# Altium PCB RTD_12POS_WPSv3.PcbDoc (part 1 of 4) (continued)
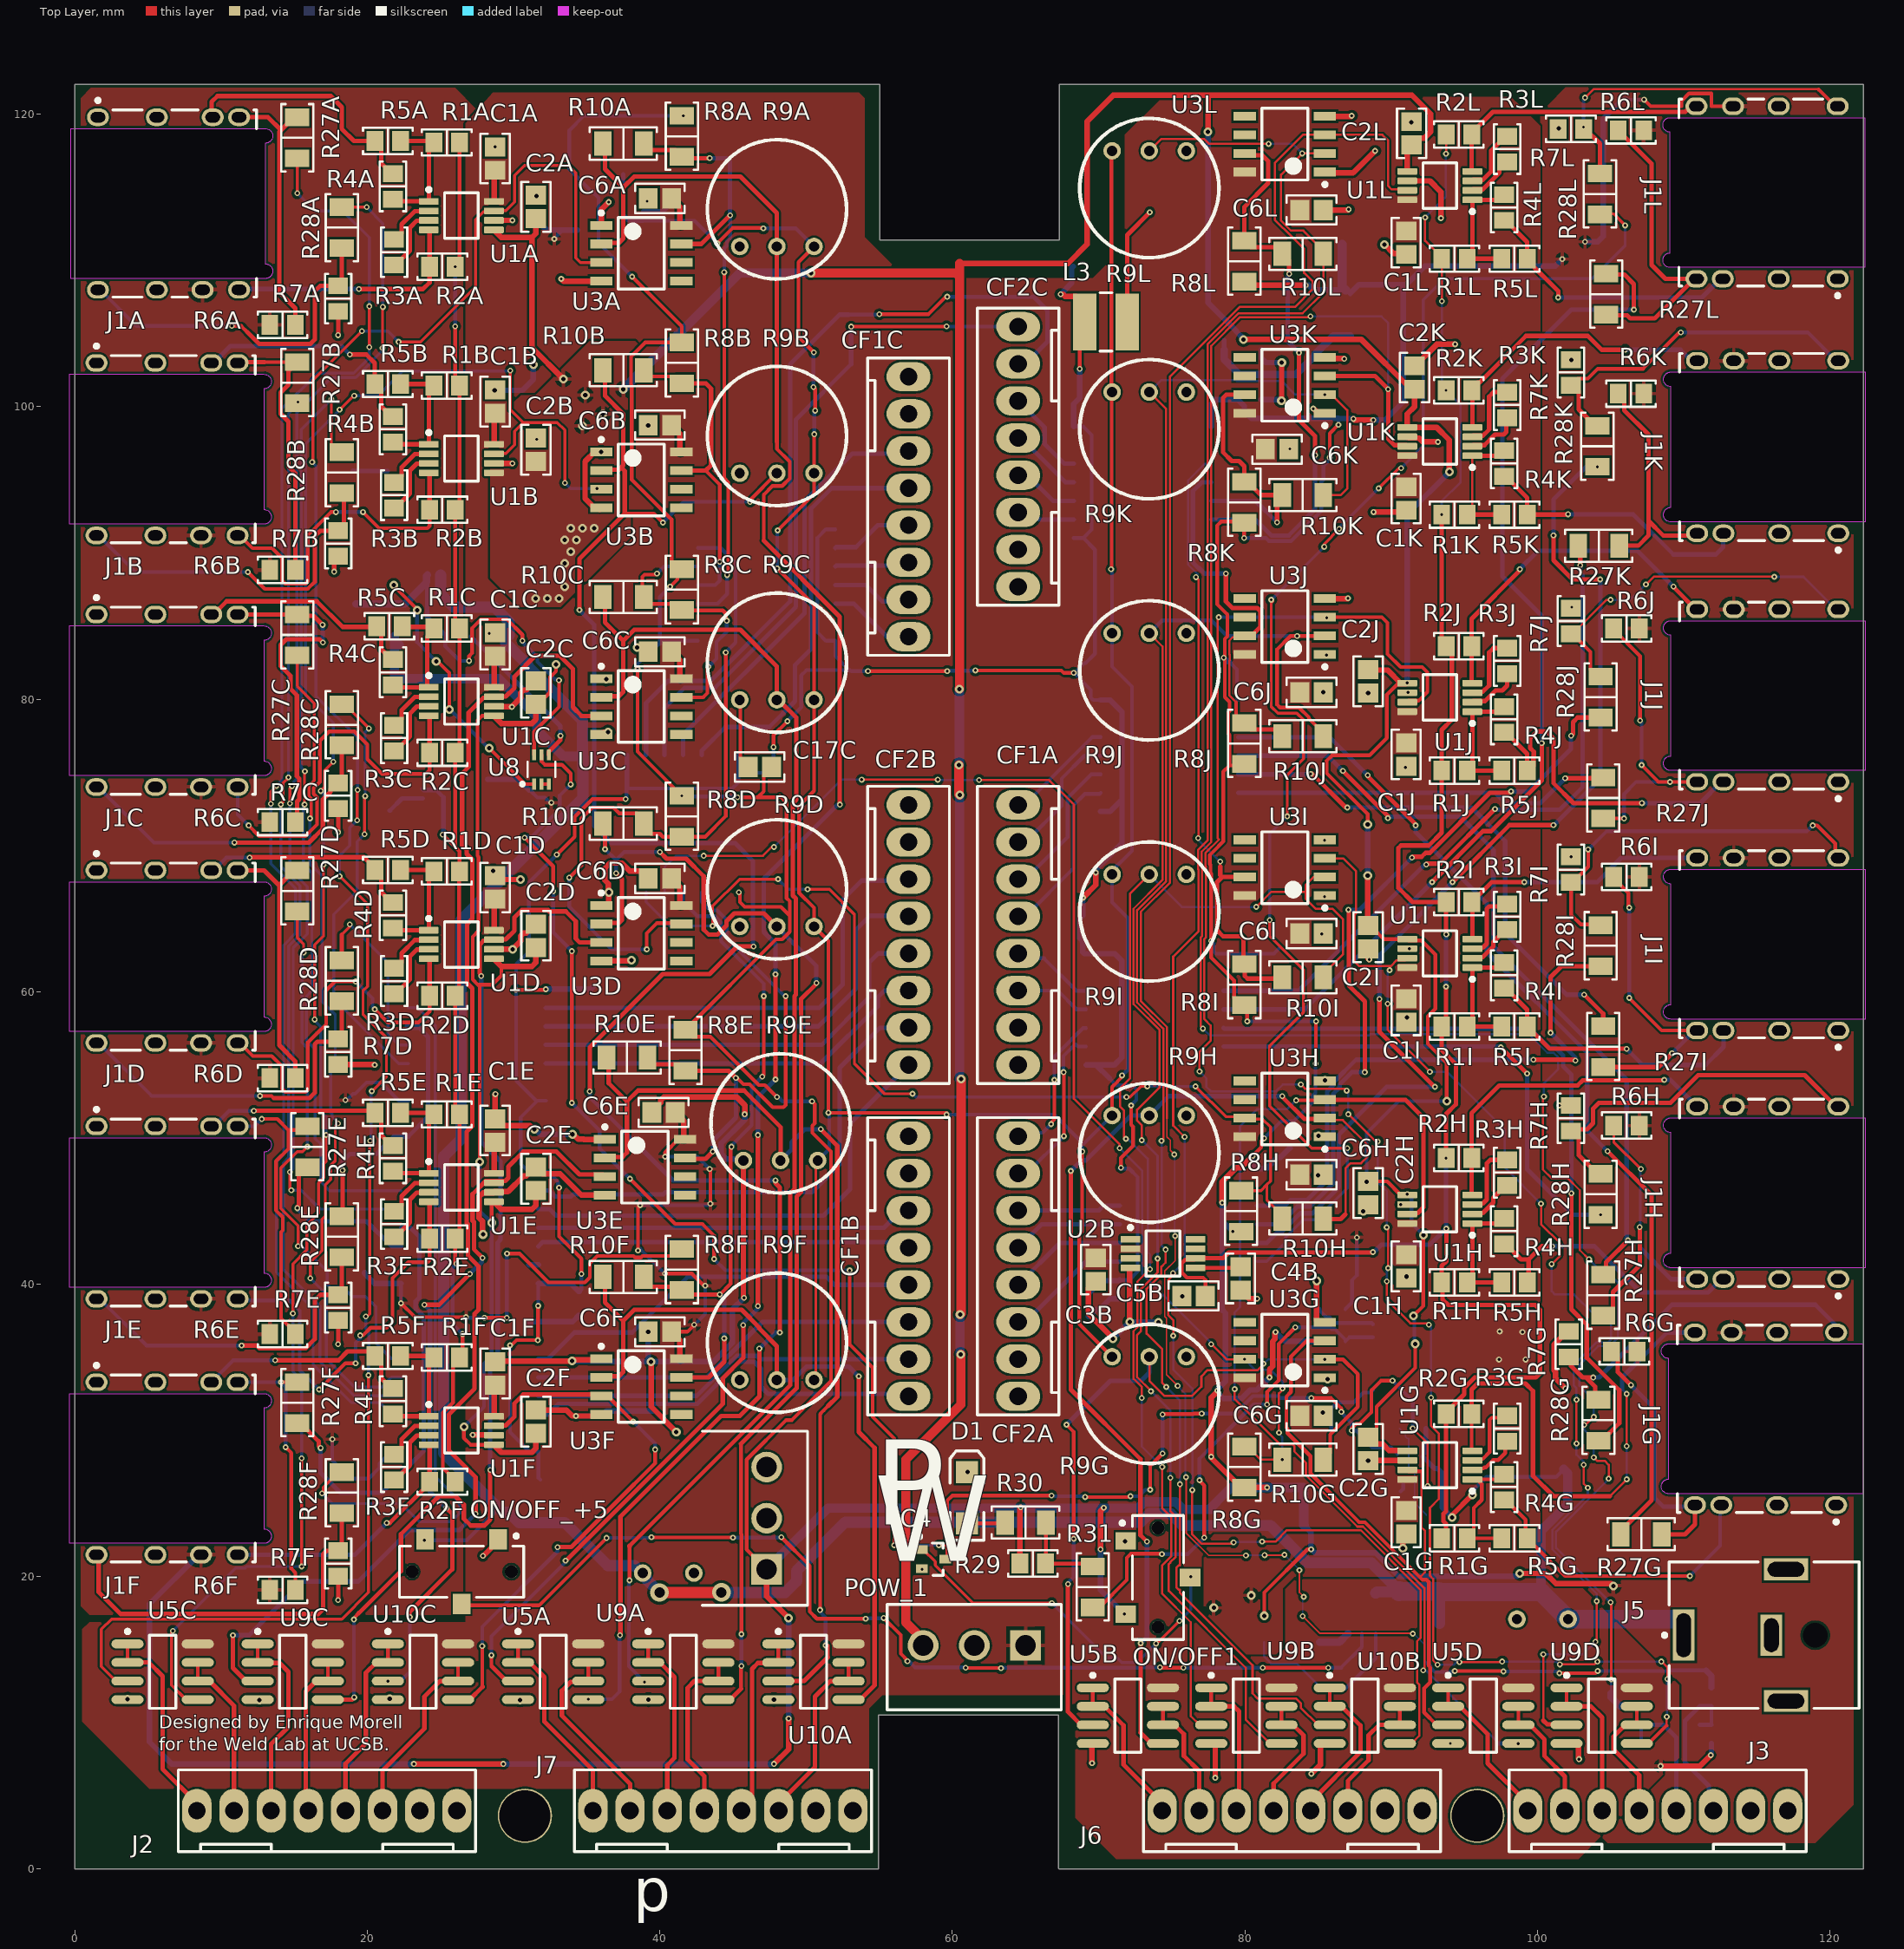
[diagram p0: Top Layer view]
## Design rules (kind name [scope] priority, off if disabled: settings) (continued)
RoomDefinition U_MonitorOut [InComponentClass('U_MonitorOut')] p39: confinementstyle=ConfineIn formatcopy=TRUE lockcomponents=FALSE outline 5.95,0.075 119.525,0.075 119.525,7.925 5.95,7.925
RoomDefinition U_IsolationOut [InComponentClass('U_IsolationOut')] p40: confinementstyle=ConfineIn formatcopy=TRUE lockcomponents=FALSE outline 35.2,65.3 79.2,65.3 79.2,107.9 35.2,107.9
RoomDefinition U_ConnGd- [InComponentClass('U_ConnGd-')] p41: confinementstyle=ConfineIn formatcopy=TRUE lockcomponents=FALSE outline 16.9,25.2 61,25.2 61,75.2 16.9,75.2
RoomDefinition U_ConnGd+ [InComponentClass('U_ConnGd+')] p42: confinementstyle=ConfineIn formatcopy=TRUE lockcomponents=FALSE outline 69.54,70.46 73.75,70.46 73.75,118.25 69.54,118.25
RoomDefinition U_ComparisonSchL [InComponentClass('U_ComparisonSchL')] p43: confinementstyle=ConfineIn formatcopy=FALSE lockcomponents=FALSE outline 68,107.21 87,107.21 87,120.96 68,120.96
RoomDefinition U_ComparisonSchK [InComponentClass('U_ComparisonSchK')] p44: confinementstyle=ConfineIn formatcopy=FALSE lockcomponents=FALSE outline 67.8,90.8 86.7,90.8 86.7,104.3 67.8,104.3
RoomDefinition U_ComparisonSchJ [InComponentClass('U_ComparisonSchJ')] p45: confinementstyle=ConfineIn formatcopy=FALSE lockcomponents=FALSE outline 68,74.226 87,74.226 87,87.976 68,87.976
RoomDefinition U_ComparisonSchI [InComponentClass('U_ComparisonSchI')] p46: confinementstyle=ConfineIn formatcopy=FALSE lockcomponents=FALSE outline 67.85,57.85 86.625,57.85 86.625,71.325 67.85,71.325
RoomDefinition U_ComparisonSchH [InComponentClass('U_ComparisonSchH')] p47: confinementstyle=ConfineIn formatcopy=FALSE lockcomponents=FALSE outline 67.85,42.35 86.625,42.35 86.625,54.825 67.85,54.825
RoomDefinition U_ComparisonSchF [InComponentClass('U_ComparisonSchF')] p48: confinementstyle=ConfineIn formatcopy=FALSE lockcomponents=FALSE outline 34.5,30 53.5,30 53.5,43.75 34.5,43.75
RoomDefinition U_ComparisonSchE [InComponentClass('U_ComparisonSchE')] p49: confinementstyle=ConfineIn formatcopy=TRUE lockcomponents=FALSE outline 34.75,45 53.75,45 53.75,58.75 34.75,58.75
RoomDefinition U_ComparisonSchD [InComponentClass('U_ComparisonSchD')] p50: confinementstyle=ConfineIn formatcopy=TRUE lockcomponents=FALSE outline 34.5,61 53.5,61 53.5,74.75 34.5,74.75
RoomDefinition U_ComparisonSchC [InComponentClass('U_ComparisonSchC')] p51: confinementstyle=ConfineIn formatcopy=TRUE lockcomponents=FALSE outline 34.5,76.5 53.5,76.5 53.5,90.25 34.5,90.25
RoomDefinition U_ComparisonSchB [InComponentClass('U_ComparisonSchB')] p52: confinementstyle=ConfineIn formatcopy=TRUE lockcomponents=FALSE outline 34.5,92 53.5,92 53.5,105.75 34.5,105.75
RoomDefinition U_12VSupply [InComponentClass('U_12VSupply')] p53: confinementstyle=ConfineIn formatcopy=TRUE lockcomponents=FALSE outline 83.475,11.725 107.525,11.725 107.525,45.225 83.475,45.225
RoomDefinition U_5VSupply [InComponentClass('U_5VSupply')] p54: confinementstyle=ConfineIn formatcopy=TRUE lockcomponents=FALSE outline 66.2,8 95.9,8 95.9,27.8 66.2,27.8
RoutingVias [All] p1: holewidth=0.711 width=1.27 viastyle="Through Hole" minholewidth=0.711 minwidth=1.27 maxholewidth=0.711 maxwidth=1.27 useviatemplates=TRUE viatemplateguid#1={4BFCAAC5-D46A-4560-A03D-2F3787BC3AD6} viatemplateguid#2={7C29D5FA-1259-41A0-88B3-0BBCAB00A7AF} viatemplateguid#3={8FDB672F-4487-4AD4-B12B-3AB91A28549A} viatemplateguid#4={CD788D5E-A946-4F66-909D-79502399879D} viatemplateguid#5={E94A7DC6-86FE-4B47-9C1C-211AB7DE5865} viatemplateguid#6={CF83D63E-3D29-4E72-BAE9-CD1C307AB8CC} viatemplateguid#7={CD509BDD-E8B9-483E-89AE-8C90808B9987} viatemplatename#1=v40h20m0mx0 viatemplatename#2=v40h20m0mx0_2670034071 viatemplatename#3=v60h30 viatemplatename#4=v60h30m0mx0 viatemplatename#5=v60h30m0mx0_2670034071 viatemplatename#6=v60h30_2670034071 viatemplatename#7=v127h71
SilkToSilkClearance [All] p1: silktosilkclearance=0.15
SilkToSolderMaskClearance [IsPad] p1: minsilkscreentomaskgap=0.15 clearancetoexposedcopper=TRUE
SolderMaskExpansion [All] p1: expansion=0.05
UnRoutedNet [All] p1: checkbadconnections=TRUE
Width Width_1 [InNet('+5')] p1: maxlimit=0.635 minlimit=0.254 preferedwidth=0.381 minimp=50.000000 maximp=50.000000 favimp=50.000000
Width Width_2 [InNet('+5_OUT')] p2: maxlimit=0.635 minlimit=0.254 preferedwidth=0.381 minimp=50.000000 maximp=50.000000 favimp=50.000000
Width Width_3 [InNet('DGND_Out')] p3: maxlimit=0.635 minlimit=0.254 preferedwidth=0.381 minimp=50.000000 maximp=50.000000 favimp=50.000000
Width Width_10 [InNet('GND')] p4: maxlimit=0.635 minlimit=0.254 preferedwidth=0.381 minimp=50.000000 maximp=50.000000 favimp=50.000000
Width Width_9 [InNet('AGND')] p5: maxlimit=0.635 minlimit=0.254 preferedwidth=0.381 minimp=50.000000 maximp=50.000000 favimp=50.000000
Width Width_8 [InNet('-12A')] p6: maxlimit=0.635 minlimit=0.254 preferedwidth=0.381 minimp=50.000000 maximp=50.000000 favimp=50.000000
Width Width_7 [InNet('-12')] p7: maxlimit=0.635 minlimit=0.254 preferedwidth=0.381 minimp=50.000000 maximp=50.000000 favimp=50.000000
Width Width_6 [InNet('-5A')] p8: maxlimit=0.635 minlimit=0.254 preferedwidth=0.381 minimp=50.000000 maximp=50.000000 favimp=50.000000
Width Width_5 [InNet('-5')] p9: maxlimit=0.635 minlimit=0.254 preferedwidth=0.381 minimp=50.000000 maximp=50.000000 favimp=50.000000
Width Width_4 [InNet('+12')] p10: maxlimit=0.635 minlimit=0.254 preferedwidth=0.381 minimp=50.000000 maximp=50.000000 favimp=50.000000
Width Width_11 [InNet('Vext')] p11: maxlimit=1.27 minlimit=0.254 preferedwidth=0.381 minimp=50.000000 maximp=50.000000 favimp=50.000000
Width [All] p12: maxlimit=0.508 minlimit=0.105 preferedwidth=0.15 minimp=50.000000 maximp=50.000000 favimp=50.000000
20 further rules are at their usual default settings.

## Classes and differential pairs
component class U_RTDAnalogL: C1L C2L R1L R2L R3L R4L R5L U1L
component class U_RTDAnalogH: C1H C2H R1H R2H R3H R4H R5H U1H
component class U_RTDAnalogB: C1B C2B R1B R2B R3B R4B R5B U1B
component class U_ComparisonSchL: C6L R8L R9L R10L U3L
component class U_ComparisonSchH: C6H R8H R9H R10H U3H
component class U_ComparisonSchB: C6B R8B R9B R10B U3B
net class Vthr[1..12]: Vthr1 Vthr2 Vthr3 Vthr4 Vthr5 Vthr6 Vthr7 Vthr8 Vthr9 Vthr10 Vthr11 Vthr12
net class RTD-[1..12]: RTD-1 RTD-2 RTD-3 RTD-4 RTD-5 RTD-6 RTD-7 RTD-8 RTD-9 RTD-10 RTD-11 RTD-12
net class RTD+[1..12]: RTD+1 RTD+2 RTD+3 RTD+4 RTD+5 RTD+6 RTD+7 RTD+8 RTD+9 RTD+10 RTD+11 RTD+12
net class CONNGD-[1..12]: CONNGD-1 CONNGD-2 CONNGD-3 CONNGD-4 CONNGD-5 CONNGD-6 CONNGD-7 CONNGD-8 CONNGD-9 CONNGD-10 CONNGD-11 CONNGD-12
net class CONNGD+[1..12]: CONNGD+1 CONNGD+2 CONNGD+3 CONNGD+4 CONNGD+5 CONNGD+6 CONNGD+7 CONNGD+8 CONNGD+9 CONNGD+10 CONNGD+11 CONNGD+12
net class CF[1..12]: CF1 CF2 CF3 CF4 CF5 CF6 CF7 CF8 CF9 CF10 CF11 CF12
channel class BufferOut: U_BufferOutL U_BufferOutMonL U_BufferOutMonR U_BufferOutR
component class U_BufferOutR: U5B U9B U10B
component class U_BufferOutMonR: U5D U9D U10D
component class U_BufferOutMonL: U5C U9C U10C
component class U_BufferOutL: U5A U9A U10A
component class MainSch: J6 J7
channel class VrefSch: U_VrefSchA U_VrefSchB U_VrefSchC
channel class RTDAnalog: U_RTDAnalogA U_RTDAnalogB U_RTDAnalogC U_RTDAnalogD U_RTDAnalogE U_RTDAnalogF U_RTDAnalogG U_RTDAnalogH U_RTDAnalogI U_RTDAnalogJ U_RTDAnalogK U_RTDAnalogL
channel class IsolationOut: U_ConnGd+ U_ConnGd- U_IsolationOut
channel class ConnectorSch: U_ConnectorSchA U_ConnectorSchB U_ConnectorSchC U_ConnectorSchD U_ConnectorSchE U_ConnectorSchF U_ConnectorSchG U_ConnectorSchH U_ConnectorSchI U_ConnectorSchJ U_ConnectorSchK U_ConnectorSchL
channel class ComparisonSch: U_ComparisonSchA U_ComparisonSchB U_ComparisonSchC U_ComparisonSchD U_ComparisonSchE U_ComparisonSchF U_ComparisonSchG U_ComparisonSchH U_ComparisonSchI U_ComparisonSchJ U_ComparisonSchK U_ComparisonSchL
net class Vrtd[1..12]: Vrtd1 Vrtd2 Vrtd3 Vrtd4 Vrtd5 Vrtd6 Vrtd7 Vrtd8 Vrtd9 Vrtd10 Vrtd11 Vrtd12
net class Vref[1..3]: Vref1 Vref2 Vref3
component class U_VrefSchC: C3C C4C C5C U2C
component class U_VrefSchB: C3B C4B C5B U2B
component class U_VrefSchA: C3A C4A C5A U2A
component class U_VccConnSch: J5
component class U_RTDAnalogF: C1F C2F R1F R2F R3F R4F R5F U1F
component class U_RTDAnalogK: C1K C2K R1K R2K R3K R4K R5K U1K
component class U_RTDAnalogJ: C1J C2J R1J R2J R3J R4J R5J U1J
component class U_RTDAnalogI: C1I C2I R1I R2I R3I R4I R5I U1I
component class U_RTDAnalogD: C1D C2D R1D R2D R3D R4D R5D U1D
component class U_RTDAnalogE: C1E C2E R1E R2E R3E R4E R5E U1E
component class U_RTDAnalogC: C1C C2C R1C R2C R3C R4C R5C U1C
component class U_RTDAnalogA: C1A C2A R1A R2A R3A R4A R5A U1A
component class U_RTDAnalogG: C1G C2G R1G R2G R3G R4G R5G U1G
component class U_PowerIsolation: A1 C43 C44 L2 L3
component class U_PowerDelivery: D1 IC4 ON/OFF1 ON/OFF_+5 POW_1 R29 R30 R31
component class U_Neg12V: C30 C31 C32 C33 C34 C35 C36 R21 R22 R23 U7 U8
component class U_MonitorOut: J2 J3
component class U_IsolationOut: C15C C16C C17C C18C C20C CF1C CF2C IC1C IC2C IC3C
component class U_ConnGd-: C15B C16B C17B C18B C19B C20B CF1B CF2B IC1B IC2B IC3B
component class U_ConnGd+: C15A C17A C18A C19A C20A CF1A CF2A IC1A IC2A IC3A
component class U_ConnectorSchL: J1L R6L R7L R27L R28L
component class U_ConnectorSchK: J1K R6K R7K R27K R28K
component class U_ConnectorSchJ: J1J R6J R7J R27J R28J
component class U_ConnectorSchI: J1I R6I R7I R27I R28I
component class U_ConnectorSchH: J1H R6H R7H R27H R28H
component class U_ConnectorSchG: J1G R6G R7G R27G R28G
component class U_ConnectorSchF: J1F R6F R7F R27F R28F
component class U_ConnectorSchE: J1E R6E R7E R27E R28E
component class U_ConnectorSchD: J1D R6D R7D R27D R28D
component class U_ConnectorSchC: J1C R6C R7C R27C R28C
component class U_ConnectorSchB: J1B R6B R7B R27B R28B
component class U_ConnectorSchA: J1A R6A R7A R27A R28A
component class U_ComparisonSchF: C6F R8F R10F U3F
component class U_ComparisonSchK: C6K R8K R9K R10K U3K
component class U_ComparisonSchJ: C6J R8J R9J R10J U3J
component class U_ComparisonSchI: C6I R8I R9I R10I U3I
component class U_ComparisonSchD: C6D R8D R9D R10D U3D
component class U_ComparisonSchE: C6E R8E R9E R10E U3E
component class U_ComparisonSchC: C6C R8C R9C R10C U3C
component class U_ComparisonSchA: C6A R8A R9A R10A U3A
component class U_ComparisonSchG: C6G R8G R9G R10G U3G
component class U_12VSupply: C7 C8 C9 C10 C11 C12 C13 C14 R12 R13 R14 R15 R16 U4
component class U_5VSupply: C37 C38 C39 C40 C41 C42 IC5 L1 R25 R26

## Components (designator, comment, footprint, x,y, rotation, side; value= is the part's Value field where it differs from the comment)
A1 "NXJ1S0505MC-R7" "MURATA NXJ1" 76.04,108.6 r180 bottom
C1A "0.1uF" "CAP 0805/2012"#1 28.725,116.975 r90 top (schematic designator C1)
C1B "0.1uF" "CAP 0805/2012"#1 28.725,100.36 r90 top (schematic designator C1)
C1C "0.1uF" "CAP 0805/2012"#1 28.725,83.745 r90 top (schematic designator C1)
C1D "0.1uF" "CAP 0805/2012"#1 28.725,67.13 r90 top (schematic designator C1)
C1E "0.1uF" "CAP 0805/2012"#1 28.725,50.515 r90 top (schematic designator C1)
C1F "0.1uF" "CAP 0805/2012"#1 28.725,33.9 r90 top (schematic designator C1)
C1G "0.1uF" "CAP 0805/2012"#1 91.03,23.73 r270 top (schematic designator C1)
C1H "0.1uF" "CAP 0805/2012"#1 91.03,41.229 r270 top (schematic designator C1)
C1I "0.1uF" "CAP 0805/2012"#1 91.03,58.728 r270 top (schematic designator C1)
C1J "0.1uF" "CAP 0805/2012"#1 91.03,76.227 r270 top (schematic designator C1)
C1K "0.1uF" "CAP 0805/2012"#1 91.03,93.726 r270 top (schematic designator C1)
C1L "0.1uF" "CAP 0805/2012"#1 91.03,111.225 r270 top (schematic designator C1)
C2A "0.1uF" "CAP 0805/2012"#1 31.525,113.675 r270 top (schematic designator C2)
C2B "0.1uF" "CAP 0805/2012"#1 31.525,97.06 r270 top (schematic designator C2)
C2C "0.1uF" "CAP 0805/2012"#1 31.525,80.445 r270 top (schematic designator C2)
C2D "0.1uF" "CAP 0805/2012"#1 31.525,63.83 r270 top (schematic designator C2)
C2E "0.1uF" "CAP 0805/2012"#1 31.525,47.215 r270 top (schematic designator C2)
C2F "0.1uF" "CAP 0805/2012"#1 31.525,30.6 r270 top (schematic designator C2)
C2G "0.1uF" "CAP 0805/2012"#1 88.43,28.73 r90 top (schematic designator C2)
C2H "0.1uF" "CAP 0805/2012"#1 88.43,46.229 r90 top (schematic designator C2)
C2I "0.1uF" "CAP 0805/2012"#1 88.43,63.728 r90 top (schematic designator C2)
C2J "0.1uF" "CAP 0805/2012"#1 88.43,81.227 r90 top (schematic designator C2)
C2K "0.1uF" "CAP 0805/2012"#1 91.6,102 r270 top (schematic designator C2)
C2L "0.1uF" "CAP 0805/2012"#2 91.4,118.7 r270 top (schematic designator C2)
C3A "1uF" "CAP 0805/2012"#1 31.1,73 r90 bottom (schematic designator C3)
C3B "1uF" "CAP 0805/2012"#1 69.8,41 r90 top (schematic designator C3)
C3C "1uF" "CAP 0805/2012"#1 31.5,113.6 r270 bottom (schematic designator C3)
C4A "1uF" "CAP 0805/2012"#1 21.5,71.6 r90 bottom (schematic designator C4)
C4B "1uF" "CAP 0805/2012"#1 79.7,40.4 r90 top (schematic designator C4)
C4C "1uF" "CAP 0805/2012"#1 41.1,115 r270 bottom (schematic designator C4)
C5A "1uF" "CAP 0805/2012"#1 25.9,70.7 r180 bottom (schematic designator C5)
C5B "1uF" "CAP 0805/2012"#1 76.5,39.2 r0 top (schematic designator C5)
C5C "1uF" "CAP 0805/2012"#1 36.7,115.9 r0 bottom (schematic designator C5)
C6A "0.1uF" "CAP 0805/2012"#1 40,114.25 r180 top (schematic designator C6)
C6B "0.1uF" "CAP 0805/2012"#1 40,98.75 r180 top (schematic designator C6)
C6C "0.1uF" "CAP 0805/2012"#1 40,83.25 r180 top (schematic designator C6)
C6D "0.1uF" "CAP 0805/2012"#1 40,67.75 r180 top (schematic designator C6)
C6E "0.1uF" "CAP 0805/2012"#1 40.25,51.75 r180 top (schematic designator C6)
C6F "0.1uF" "CAP 0805/2012"#1 40,36.75 r180 top (schematic designator C6)
C6G "0.1uF" "CAP 0805/2012"#1 84.56,31 r0 top (schematic designator C6)
C6H "0.1uF" "CAP 0805/2012"#1 84.56,47.492 r0 top (schematic designator C6)
C6I "0.1uF" "CAP 0805/2012"#1 84.56,63.984 r0 top (schematic designator C6)
C6J "0.1uF" "CAP 0805/2012"#1 84.56,80.476 r0 top (schematic designator C6)
C6K "0.1uF" "CAP 0805/2012"#1 82.2,97.1 r0 top (schematic designator C6)
C6L "0.1uF" "CAP 0805/2012"#1 84.56,113.46 r0 top (schematic designator C6)
C7 "22uF" "CAP AL TH D8 L3.5 H11.5" 102.1,17.1 r180 bottom
C8 "4.7uF" "CAP 1206/3216 - 1.0MM" 101.8,28.8 r90 bottom
C9 "4.7uF" "CAP 1206/3216 - 1.0MM" 97,25.6 r0 bottom
C10 "22uF" "CAP 1206/3216" 86.2,40.6 r0 bottom
C11 "22uF" "CAP 1206/3216" 86.2,43.2 r0 bottom
C12 "22uF" "CAP 1206/3216" 103.9,38.4 r270 bottom
C13 "22uF" "CAP 1206/3216" 99.4,42.5 r270 bottom
C14 "0.022uF" "CAP 0805/2012"#1 91.6,24.2 r0 bottom
C15A "0.1uF" "CAP 0805/2012"#1 78.14,82.56 r180 bottom (schematic designator C15)
C15B "0.1uF" "CAP 0805/2012"#1 19,40.8 r180 bottom (schematic designator C15)
C15C "0.1uF" "CAP 0805/2012"#1 40,83 r270 bottom (schematic designator C15)
C16B "0.1uF" "CAP 0805/2012"#1 35.5,61.2 r90 bottom (schematic designator C16)
C16C "0.1uF" "CAP 0805/2012"#1 53,81.2 r270 bottom (schematic designator C16)
C17A "0.1uF" "CAP 0805/2012"#1 82.34,62.16 r270 bottom (schematic designator C17)
C17B "0.1uF" "CAP 0805/2012"#1 18.5,53.3 r90 bottom (schematic designator C17)
C17C "0.1uF" "CAP 0805/2012"#1 46.825,75.375 r180 top (schematic designator C17)
C18A "0.1uF" "CAP 0805/2012"#1 69.5,65 r0 bottom (schematic designator C18)
C18B "0.1uF" "CAP 0805/2012"#1 34.5,38.7 r270 bottom (schematic designator C18)
C18C "0.1uF" "CAP 0805/2012"#1 48.475,75.45 r0 bottom (schematic designator C18)
C19A "0.1uF" "CAP 0805/2012"#1 83.1,48.5 r270 bottom (schematic designator C19)
C19B "0.1uF" "CAP 0805/2012"#1 19,27.5 r90 bottom (schematic designator C19)
C19C "0.1uF" "CAP 0805/2012"#1 80.3,100.5 r0 bottom (schematic designator C19)
C20A "0.1uF" "CAP 0805/2012"#1 68.3,82.6 r90 bottom (schematic designator C20)
C20B "0.1uF" "CAP 0805/2012"#1 32.625,26.625 r0 bottom (schematic designator C20)
C20C "0.1uF" "CAP 0805/2012"#1 68.7,103.4 r90 bottom (schematic designator C20)
C29 "22uF" "CAP AL TH D8 L3.5 H11.5" 38.825,20.25 r0 bottom
C30 "4.7uF" "CAP 1206/3216 - 1.0MM" 20.4,81.4 r180 bottom
C31 "4.7uF" "CAP 1206/3216 - 1.0MM" 20.4,84.3 r180 bottom
C32 "2.2uF" "CAP 1206/3216" 30.9,84.1 r180 bottom
C33 "22uF" "CAP 1206/3216" 37.2,90.2 r180 bottom
C34 "22uF" "CAP 1206/3216" 35.7,94.6 r270 bottom
C35 "22uF" "CAP 1206/3216" 40.6,96.2 r270 bottom
C36 "22uF" "CAP 1206/3216" 38.1,94.6 r270 bottom
C37 "0.1uF" "CAP 0805/2012"#1 84.3,15.5 r180 bottom
C38 "10uF" "CAP 1206/3216" 93.3,20.4 r270 bottom
C39 "10uF" "CAP 1206/3216" 90.8,20.5 r270 bottom
C40 "0.1uF" "CAP 0805/2012"#1 93.3,16 r90 bottom
C41 "22uF" "CAP 1206/3216" 85.5,23.5 r180 bottom
C42 "22uF" "CAP 1206/3216" 85.45,26.1 r180 bottom
C43 "2.2uF" "CAP 1206/3216" 66.8,109.6 r180 bottom
C44 "4.7uF" "CAP 1206/3216 - 1.8MM" 88.1,111.1 r180 bottom
CF1A "0022272081" "MOLEX KK 0022272081" 64.5,63.89 r90 top (schematic designator CF1)
CF1B "0022272081" "MOLEX KK 0022272081" 57,41.23 r270 top (schematic designator CF1)
CF1C "0022272081" "MOLEX KK 0022272081" 57,93.17 r270 top (schematic designator CF1)
CF2A "0022272081" "MOLEX KK 0022272081" 64.5,41.23 r90 top (schematic designator CF2)
CF2B "0022272081" "MOLEX KK 0022272081" 57,63.89 r270 top (schematic designator CF2)
CF2C "0022272081" "MOLEX KK 0022272081" 64.5,96.59 r90 top (schematic designator CF2)
D1 "LED2" 3.2X1.6X1.1 61,25.4 r90 top
IC1A "SI8640BD-B-IS" "SI LABS SOIC-16 WIDE" 74.84,75.505 r180 bottom (schematic designator IC1)
IC1B "SI8640BD-B-IS" "SI LABS SOIC-16 WIDE" 27,33 r0 bottom (schematic designator IC1)
IC1C "SI8640BD-B-IS" "SI LABS SOIC-16 WIDE" 47.3,88.445 r0 bottom (schematic designator IC1)
IC2A "SI8640BD-B-IS" "SI LABS SOIC-16 WIDE" 73.84,58.16 r180 bottom (schematic designator IC2)
IC2B "SI8640BD-B-IS" "SI LABS SOIC-16 WIDE" 27,44.5 r0 bottom (schematic designator IC2)
IC2C "SI8640BD-B-IS" "SI LABS SOIC-16 WIDE" 40.955,71.5 r90 bottom (schematic designator IC2)
IC3A "SI8640BD-B-IS" "SI LABS SOIC-16 WIDE" 76.14,43.46 r180 bottom (schematic designator IC3)
IC3B "SI8640BD-B-IS" "SI LABS SOIC-16 WIDE" 27.5,57 r0 bottom (schematic designator IC3)
IC3C "SI8640BD-B-IS" "SI LABS SOIC-16 WIDE" 73,94.2 r180 bottom (schematic designator IC3)
IC4 "BSS138WH6327XTSA1" "INFINEON SOT-323-3" 58.7,21.2 r0 top
IC5 "TPS563201DDCT" "TI SOT-23-6 DDC" 88,17.5 r270 bottom
J1A "SJ-3506-SMT-TR" CUI-SJ-3506-SMT-TR_V#1 6.4,113.9 r0 top (schematic designator J1)
J1B "SJ-3506-SMT-TR" CUI-SJ-3506-SMT-TR_V#1 6.3,97.1 r0 top (schematic designator J1)
J1C "SJ-3506-SMT-TR" CUI-SJ-3506-SMT-TR_V#1 6.3,79.9 r0 top (schematic designator J1)
J1D "SJ-3506-SMT-TR" CUI-SJ-3506-SMT-TR_V#2 6.3,62.4 r0 top (schematic designator J1)
J1E "SJ-3506-SMT-TR" CUI-SJ-3506-SMT-TR_V#1 6.3,44.9 r0 top (schematic designator J1)
J1F "SJ-3506-SMT-TR" CUI-SJ-3506-SMT-TR_V#1 6.3,27.4 r0 top (schematic designator J1)
J1G "SJ-3506-SMT-TR" CUI-SJ-3506-SMT-TR_V#1 115.6,30.8 r180 top (schematic designator J1)
J1H "SJ-3506-SMT-TR" CUI-SJ-3506-SMT-TR_V#1 115.75,46.25 r180 top (schematic designator J1)
J1I "SJ-3506-SMT-TR" CUI-SJ-3506-SMT-TR_V#1 115.75,63.25 r180 top (schematic designator J1)
J1J "SJ-3506-SMT-TR" CUI-SJ-3506-SMT-TR_V#1 115.75,80.25 r180 top (schematic designator J1)
J1K "SJ-3506-SMT-TR" CUI-SJ-3506-SMT-TR_V#1 115.75,97.25 r180 top (schematic designator J1)
J1L "SJ-3506-SMT-TR" CUI-SJ-3506-SMT-TR_V#1 115.705,114.65 r180 top (schematic designator J1)
J2 "0022272081" "MOLEX KK 0022272081" 17.23,4 r0 top
J3 "0022272081" "MOLEX KK 0022272081" 108.23,4 r0 top
J5 "PJ-063AH" CUI-PJ-063AH_V 116,16 r0 top
J6 "0022272081" "MOLEX KK 0022272081" 83.23,4 r0 top
J7 "0022272081" "MOLEX KK 0022272081" 44.31,4 r0 top
L1 "3.3uH" "WURTH WE-HCI 7050" 78.5,23 r90 bottom
L2 "VLCF4024T-4R7N1R4-2" "TDK VLCF4024-2" 87.2,106.3 r270 bottom value=4.7uH
L3 "VLCF4024T-100MR90-2" "TDK VLCF4024-2" 70.5,105.8 r180 top value=10uH
ON/OFF1 "CL-SB-12B-01T" SW_CL-SB-12B-01 73.6,19.9 r270 top
ON/OFF_+5 "CL-SB-12B-01T" SW_CL-SB-12B-01 26.4,20.8 r180 top
POW_1 "691321100003" 691321100003 61.5,14.5 r180 top
R1A "4.99k" "RES 0805/2012" 25.425,118.075 r0 top (schematic designator R1)
R1B "4.99k" "RES 0805/2012" 25.425,101.46 r0 top (schematic designator R1)
R1C "4.99k" "RES 0805/2012" 25.425,84.845 r0 top (schematic designator R1)
R1D "4.99k" "RES 0805/2012" 25.425,68.23 r0 top (schematic designator R1)
R1E "4.99k" "RES 0805/2012" 25.425,51.615 r0 top (schematic designator R1)
R1F "4.99k" "RES 0805/2012" 25.425,35 r0 top (schematic designator R1)
R1G "4.99k" "RES 0805/2012" 94.33,22.63 r180 top (schematic designator R1)
R1H "4.99k" "RES 0805/2012" 94.33,40.129 r180 top (schematic designator R1)
R1I "4.99k" "RES 0805/2012" 94.33,57.628 r180 top (schematic designator R1)
R1J "4.99k" "RES 0805/2012" 94.33,75.127 r180 top (schematic designator R1)
R1K "4.99k" "RES 0805/2012" 94.33,92.626 r180 top (schematic designator R1)
R1L "4.99k" "RES 0805/2012" 94.33,110.125 r180 top (schematic designator R1)
R2A "4.99k" "RES 0805/2012" 25.125,109.575 r0 top (schematic designator R2)
R2B "4.99k" "RES 0805/2012" 25.125,92.96 r0 top (schematic designator R2)
R2C "4.99k" "RES 0805/2012" 25.125,76.345 r0 top (schematic designator R2)
R2D "4.99k" "RES 0805/2012" 25.125,59.73 r0 top (schematic designator R2)
R2E "4.99k" "RES 0805/2012" 25.125,43.115 r0 top (schematic designator R2)
R2F "4.99k" "RES 0805/2012" 25.125,26.5 r0 top (schematic designator R2)
R2G "4.99k" "RES 0805/2012" 94.63,31.13 r180 top (schematic designator R2)
R2H "4.99k" "RES 0805/2012" 94.63,48.629 r180 top (schematic designator R2)
R2I "4.99k" "RES 0805/2012" 94.63,66.128 r180 top (schematic designator R2)
R2J "4.99k" "RES 0805/2012" 94.63,83.627 r180 top (schematic designator R2)
R2K "4.99k" "RES 0805/2012" 94.63,101.126 r180 top (schematic designator R2)
R2L "4.99k" "RES 0805/2012" 94.63,118.625 r180 top (schematic designator R2)
R3A "118" "RES 0805/2012" 21.825,110.575 r90 top (schematic designator R3)
R3B "118" "RES 0805/2012" 21.825,93.96 r90 top (schematic designator R3)
R3C "118" "RES 0805/2012" 21.825,77.345 r90 top (schematic designator R3)
R3D "118" "RES 0805/2012" 21.825,60.73 r90 top (schematic designator R3)
R3E "118" "RES 0805/2012" 21.825,44.115 r90 top (schematic designator R3)
R3F "118" "RES 0805/2012" 21.825,27.5 r90 top (schematic designator R3)
R3G "118" "RES 0805/2012" 97.93,30.13 r270 top (schematic designator R3)
R3H "118" "RES 0805/2012" 97.93,47.629 r270 top (schematic designator R3)
R3I "118" "RES 0805/2012" 97.93,65.128 r270 top (schematic designator R3)
R3J "118" "RES 0805/2012" 97.93,82.627 r270 top (schematic designator R3)
R3K "118" "RES 0805/2012" 97.93,100.126 r270 top (schematic designator R3)
R3L "118" "RES 0805/2012" 97.93,117.625 r270 top (schematic designator R3)
R4A "107" "RES 0805/2012" 21.75,115.075 r270 top (schematic designator R4)
R4B "107" "RES 0805/2012" 21.75,98.46 r270 top (schematic designator R4)
R4C "107" "RES 0805/2012" 21.75,81.845 r270 top (schematic designator R4)
R4D "107" "RES 0805/2012" 21.75,65.23 r270 top (schematic designator R4)
R4E "107" "RES 0805/2012" 21.75,48.615 r270 top (schematic designator R4)
R4F "107" "RES 0805/2012" 21.75,32 r270 top (schematic designator R4)
R4G "107" "RES 0805/2012" 97.73,26.13 r90 top (schematic designator R4)
R4H "107" "RES 0805/2012" 97.73,43.629 r90 top (schematic designator R4)
R4I "107" "RES 0805/2012" 97.73,61.128 r90 top (schematic designator R4)
R4J "107" "RES 0805/2012" 97.73,78.627 r90 top (schematic designator R4)
R4K "107" "RES 0805/2012" 97.73,96.126 r90 top (schematic designator R4)
R4L "107" "RES 0805/2012" 97.73,113.625 r90 top (schematic designator R4)
R5A "10.2k" "RES 0805/2012" 21.4,118.175 r0 top (schematic designator R5)
R5B "10.2k" "RES 0805/2012" 21.4,101.56 r0 top (schematic designator R5)
R5C "10.2k" "RES 0805/2012" 21.5,85 r0 top (schematic designator R5)
R5D "10.2k" "RES 0805/2012" 21.4,68.33 r0 top (schematic designator R5)
R5E "10.2k" "RES 0805/2012" 21.4,51.715 r0 top (schematic designator R5)
R5F "10.2k" "RES 0805/2012" 21.4,35.1 r0 top (schematic designator R5)
R5G "10.2k" "RES 0805/2012" 98.43,22.63 r180 top (schematic designator R5)
R5H "10.2k" "RES 0805/2012" 98.43,40.129 r180 top (schematic designator R5)
R5I "10.2k" "RES 0805/2012" 98.43,57.628 r180 top (schematic designator R5)
R5J "10.2k" "RES 0805/2012" 98.43,75.127 r180 top (schematic designator R5)
R5K "10.2k" "RES 0805/2012" 98.43,92.626 r180 top (schematic designator R5)
R5L "10.2k" "RES 0805/2012" 98.43,110.125 r180 top (schematic designator R5)
R6A "15.8k" "RES 0805/2012" 14.2,105.6 r0 top (schematic designator R6)
R6B "15.8k" "RES 0805/2012" 14.2,88.85 r0 top (schematic designator R6)
R6C "15.8k" "RES 0805/2012" 14.2,71.6 r0 top (schematic designator R6)
R6D "15.8k" "RES 0805/2012" 14.2,54.1 r0 top (schematic designator R6)
R6E "15.8k" "RES 0805/2012" 14.2,36.6 r0 top (schematic designator R6)
R6F "15.8k" "RES 0805/2012" 14.2,19.1 r0 top (schematic designator R6)
R6G "15.8k" "RES 0805/2012" 105.95,35.4 r180 top (schematic designator R6)
R6H "15.8k" "RES 0805/2012" 106.1,50.85 r180 top (schematic designator R6)
R6I "15.8k" "RES 0805/2012" 106.1,67.85 r180 top (schematic designator R6)
R6J "15.8k" "RES 0805/2012" 106.1,84.85 r180 top (schematic designator R6)
R6K "15.8k" "RES 0805/2012" 106.4,100.9 r180 top (schematic designator R6)
R6L "15.8k" "RES 0805/2012" 106.4,118.9 r180 top (schematic designator R6)
R7A "15.8k" "RES 0805/2012" 18,107.4 r90 top (schematic designator R7)
R7B "15.8k" "RES 0805/2012" 18,90.65 r90 top (schematic designator R7)
R7C "15.8k" "RES 0805/2012" 18,73.4 r90 top (schematic designator R7)
R7D "15.8k" "RES 0805/2012" 18,55.9 r90 top (schematic designator R7)
R7E "15.8k" "RES 0805/2012" 18,38.4 r90 top (schematic designator R7)
R7F "15.8k" "RES 0805/2012" 18,20.9 r90 top (schematic designator R7)
R7G "15.8k" "RES 0805/2012" 102.15,35.9 r270 top (schematic designator R7)
R7H "15.8k" "RES 0805/2012" 102.3,51.35 r270 top (schematic designator R7)
R7I "15.8k" "RES 0805/2012" 102.3,68.35 r270 top (schematic designator R7)
R7J "15.8k" "RES 0805/2012" 102.3,85.35 r270 top (schematic designator R7)
R7K "15.8k" "RES 0805/2012" 102.3,102.35 r270 top (schematic designator R7)
R7L "15.8k" "RES 0805/2012" 102.3,119 r0 top (schematic designator R7)
R8A "1k" "RES 1206/3216" 41.5,118.5 r90 top (schematic designator R8)
R8B "1k" "RES 1206/3216" 41.5,103 r90 top (schematic designator R8)
R8C "1k" "RES 1206/3216" 41.5,87.5 r90 top (schematic designator R8)
R8D "1k" "RES 1206/3216" 41.5,72 r90 top (schematic designator R8)
R8E "1k" "RES 1206/3216" 41.75,56 r90 top (schematic designator R8)
R8F "1k" "RES 1206/3216" 41.5,41 r90 top (schematic designator R8)
R8G "1k" "RES 1206/3216" 79.96,27.5 r270 top (schematic designator R8)
R8H "1k" "RES 1206/3216" 79.75,45 r270 top (schematic designator R8)
R8I "1k" "RES 1206/3216" 79.96,60.484 r270 top (schematic designator R8)
R8J "1k" "RES 1206/3216" 79.96,76.976 r270 top (schematic designator R8)
R8K "1k" "RES 1206/3216" 79.96,93.468 r270 top (schematic designator R8)
R8L "1k" "RES 1206/3216" 79.96,109.96 r270 top (schematic designator R8)
R9A "20k" "POT MODEL91A" 48,113.5 r0 top (schematic designator R9)
R9B "20k" "POT MODEL91A" 48,98 r0 top (schematic designator R9)
R9C "20k" "POT MODEL91A" 48,82.5 r0 top (schematic designator R9)
R9D "20k" "POT MODEL91A" 48,67 r0 top (schematic designator R9)
R9E "20k" "POT MODEL91A" 48.25,51 r0 top (schematic designator R9)
R9F "20k" "POT MODEL91A" 48,36 r0 top (schematic designator R9)
R9G "20k" "POT MODEL91A" 73.46,32.5 r180 top (schematic designator R9)
R9H "20k" "POT MODEL91A" 73.46,48.992 r180 top (schematic designator R9)
R9I "20k" "POT MODEL91A" 73.46,65.484 r180 top (schematic designator R9)
R9J "20k" "POT MODEL91A" 73.46,81.976 r180 top (schematic designator R9)
R9K "20k" "POT MODEL91A" 73.46,98.468 r180 top (schematic designator R9)
R9L "20k" "POT MODEL91A" 73.46,114.96 r180 top (schematic designator R9)
R10A "510k" "RES 1206/3216" 37.5,118 r0 top (schematic designator R10)
R10B "510k" "RES 1206/3216" 37.5,102.5 r0 top (schematic designator R10)
R10C "510k" "RES 1206/3216" 37.5,87 r0 top (schematic designator R10)
R10D "510k" "RES 1206/3216" 37.5,71.5 r0 top (schematic designator R10)
R10E "510k" "RES 1206/3216" 37.75,55.5 r0 top (schematic designator R10)
R10F "510k" "RES 1206/3216" 37.5,40.5 r0 top (schematic designator R10)
R10G "510k" "RES 1206/3216" 83.96,28 r180 top (schematic designator R10)
R10H "510k" "RES 1206/3216" 83.96,44.492 r180 top (schematic designator R10)
R10I "510k" "RES 1206/3216" 83.96,60.984 r180 top (schematic designator R10)
R10J "510k" "RES 1206/3216" 83.96,77.476 r180 top (schematic designator R10)
R10K "510k" "RES 1206/3216" 83.96,93.968 r180 top (schematic designator R10)
R10L "510k" "RES 1206/3216" 83.96,110.46 r180 top (schematic designator R10)
R12 "174k" "RES 0805/2012" 91.3,28.3 r0 bottom
R13 "267k" "RES 1206/3216" 86,31.4 r270 bottom
R14 "15.8k" "RES 0805/2012" 91.7,26.3 r0 bottom
R15 "15.8k" "RES 0805/2012" 86,36.1 r0 bottom
R16 "140k" "RES 0805/2012" 86,38.3 r0 bottom
R21 "174k" "RES 0805/2012" 26.2,84.3 r0 bottom
R22 "24.3k" "RES 0805/2012" 19.2,87.4 r270 bottom
R23 "140k" "RES 0805/2012" 19,96.5 r90 bottom
R25 "54.9k" "RES 0805/2012" 81.3,16.4 r90 bottom
R26 "10k" "RES 0805/2012" 84.275,12.35 r0 bottom
R27A "0.0" "RES 1206/3216" 15.2,118.4 r270 top (schematic designator R27)
R27B "0.0" "RES 1206/3216" 15.2,101.65 r270 top (schematic designator R27)
R27C "0.0" "RES 1206/3216" 15.2,84.4 r270 top (schematic designator R27)
R27D "0.0" "RES 1206/3216" 15.2,66.9 r270 top (schematic designator R27)
R27E "0.0" "RES 1206/3216" 15.9,49.4 r270 top (schematic designator R27)
R27F "0.0" "RES 1206/3216" 15.2,31.9 r270 top (schematic designator R27)
R27G "0.0" "RES 1206/3216" 107.1,22.9 r180 top (schematic designator R27)
R27H "0.0" "RES 1206/3216" 104.5,39.25 r90 top (schematic designator R27)
R27I "0.0" "RES 1206/3216" 104.5,56.25 r90 top (schematic designator R27)
R27J "0.0" "RES 1206/3216" 104.5,73.25 r90 top (schematic designator R27)
R27K "0.0" "RES 1206/3216" 104.2,90.5 r180 top (schematic designator R27)
R27L "0.0" "RES 1206/3216" 104.7,107.7 r90 top (schematic designator R27)
R28A "0.0" "RES 1206/3216" 18.25,112.25 r90 top (schematic designator R28)
R28B "0.0" "RES 1206/3216" 18.25,95.5 r90 top (schematic designator R28)
R28C "0.0" "RES 1206/3216" 18.25,78.25 r90 top (schematic designator R28)
R28D "0.0" "RES 1206/3216" 18.25,60.75 r90 top (schematic designator R28)
R28E "0.0" "RES 1206/3216" 18.25,43.25 r90 top (schematic designator R28)
R28F "0.0" "RES 1206/3216" 18.25,25.75 r90 top (schematic designator R28)
R28G "0.0" "RES 1206/3216" 104.175,30.7 r270 top (schematic designator R28)
R28H "0.0" "RES 1206/3216" 104.325,46.15 r270 top (schematic designator R28)
R28I "0.0" "RES 1206/3216" 104.325,63.15 r270 top (schematic designator R28)
R28J "0.0" "RES 1206/3216" 104.325,80.15 r270 top (schematic designator R28)
R28K "0.0" "RES 1206/3216" 104.1,97.3 r270 top (schematic designator R28)
R28L "0.0" "RES 1206/3216" 104.28,114.55 r270 top (schematic designator R28)
R29 "10k" "RES 0805/2012" 65.5,20.9 r180 top
R30 "1k" "RES 1206/3216" 65,23.7 r0 top
R31 "0.0" "RES 1206/3216" 69.6,19.3 r90 top
U1A "INA826AIDGKR" DGK0008A_N 26.425,113.075 r0 top (schematic designator U1)
U1B "INA826AIDGKR" DGK0008A_N 26.425,96.46 r0 top (schematic designator U1)
U1C "INA826AIDGKR" DGK0008A_N 26.425,79.845 r0 top (schematic designator U1)
U1D "INA826AIDGKR" DGK0008A_N 26.425,63.23 r0 top (schematic designator U1)
U1E "INA826AIDGKR" DGK0008A_N 26.425,46.615 r0 top (schematic designator U1)
U1F "INA826AIDGKR" DGK0008A_N 26.425,30 r0 top (schematic designator U1)
U1G "INA826AIDGKR" DGK0008A_N 93.33,27.63 r180 top (schematic designator U1)
U1H "INA826AIDGKR" DGK0008A_N 93.33,45.129 r180 top (schematic designator U1)
U1I "INA826AIDGKR" DGK0008A_N 93.33,62.628 r180 top (schematic designator U1)
U1J "INA826AIDGKR" DGK0008A_N 93.33,80.127 r180 top (schematic designator U1)
U1K "INA826AIDGKR" DGK0008A_N 93.33,97.626 r180 top (schematic designator U1)
U1L "INA826AIDGKR" DGK0008A_N 93.33,115.125 r180 top (schematic designator U1)
U2A "REF5050IDGKT" DGK0008A_N 26,74.2 r180 bottom (schematic designator U2)
U2B "REF5050IDGKT" DGK0008A_N 74.4,42.1 r0 top (schematic designator U2)
U2C "REF5050IDGKT" DGK0008A_N 36.6,112.4 r0 bottom (schematic designator U2)
U3A "LM311DR2G" ONSC-SOIC-8-751-07_V 38.727,110.5 r0 top (schematic designator U3)
U3B "LM311DR2G" ONSC-SOIC-8-751-07_V 38.727,95 r0 top (schematic designator U3)
U3C "LM311DR2G" ONSC-SOIC-8-751-07_V 38.727,79.5 r0 top (schematic designator U3)
U3D "LM311DR2G" ONSC-SOIC-8-751-07_V 38.727,64 r0 top (schematic designator U3)
U3E "LM311DR2G" ONSC-SOIC-8-751-07_V 38.977,48 r0 top (schematic designator U3)
U3F "LM311DR2G" ONSC-SOIC-8-751-07_V 38.727,33 r0 top (schematic designator U3)
U3G "LM311DR2G" ONSC-SOIC-8-751-07_V 82.733,35.5 r180 top (schematic designator U3)
U3H "LM311DR2G" ONSC-SOIC-8-751-07_V 82.733,51.992 r180 top (schematic designator U3)
U3I "LM311DR2G" ONSC-SOIC-8-751-07_V 82.733,68.484 r180 top (schematic designator U3)
U3J "LM311DR2G" ONSC-SOIC-8-751-07_V 82.733,84.976 r180 top (schematic designator U3)
U3K "LM311DR2G" ONSC-SOIC-8-751-07_V 82.733,101.468 r180 top (schematic designator U3)
U3L "LM311DR2G" ONSC-SOIC-8-751-07_V 82.733,117.96 r180 top (schematic designator U3)
U4 "LMZ35003RKGR" RKG41#1 94.175,34.565 r270 bottom value=Value
U5A "ADA4075-2ARZ" ADI-R-8_N 32.7,13.5 r0 top (schematic designator U5)
U5B "ADA4075-2ARZ" ADI-R-8_N 72,10.5 r0 top (schematic designator U5)
U5C "ADA4075-2ARZ" ADI-R-8_N 6,13.5 r0 top (schematic designator U5)
U5D "ADA4075-2ARZ" ADI-R-8_N 96.3,10.5 r0 top (schematic designator U5)
U7 "LMZ34002RKGT" RKG41#2 26.8,92.92 r270 bottom value=Value
U8 "DCX144EH-7" SOT-563 31.9,75.2 r90 top
U9A "ADA4075-2ARZ" ADI-R-8_N 41.6,13.5 r0 top (schematic designator U9)
U9B "ADA4075-2ARZ" ADI-R-8_N 80.1,10.5 r0 top (schematic designator U9)
U9C "ADA4075-2ARZ" ADI-R-8_N 14.9,13.5 r0 top (schematic designator U9)
U9D "ADA4075-2ARZ" ADI-R-8_N 104.4,10.5 r0 top (schematic designator U9)
U10A "ADA4075-2ARZ" ADI-R-8_N 50.5,13.5 r0 top (schematic designator U10)
U10B "ADA4075-2ARZ" ADI-R-8_N 88.2,10.5 r0 top (schematic designator U10)
U10C "ADA4075-2ARZ" ADI-R-8_N 23.8,13.5 r0 top (schematic designator U10)
U10D "ADA4075-2ARZ" ADI-R-8_N 109.5,10.5 r0 bottom (schematic designator U10)

## Footprints (in the part's own frame and the unit in brackets; to place one, negate y for a bottom-side part, rotate by r counter-clockwise, add the part's x,y. Pads: shape width x height; smd on the part's side, far side on the other; paste and mask are expansions set on the pad)
3.2X1.6X1.1 [mm] "SMT LED; 2 Flat Leads"
  rect 1.5x1.5 smd: 1(-1.75,0) 2(1.75,0)
  silkscreen extent -2.9,-1.15 3.2,1.15
691321100003 [mm] "Vertical PCB Header, pitch 3.5mm, 03p"
  rect 2.1x2.1 hole 1.4: 1(-3.5,-0.8)
  round 2.1 hole 1.4: 2(0,-0.8) 3(3.5,-0.8)
  silkscreen extent -5.95,-3.6 5.95,3.6, body extent -5.95,-3.6 5.95,3.6, height 9.3
ADI-R-8_N [mm] "SOIC, 8-Leads, Body 4.9x3.9mm, Pitch 1.27mm, IPC Medium Density"
  oval 2.2x0.6 smd: 1(-2.4,1.905) 2(-2.4,0.635) 3(-2.4,-0.635) 4(-2.4,-1.905) 5(2.4,-1.905) 6(2.4,-0.635) 7(2.4,0.635) 8(2.4,1.905)
  silkscreen extent -2.52,-2.5 0.9,2.88, body extent -2,-2.5 2,2.5, height 1.75
"CAP 0805/2012"#1 [mm] "Chip Capacitor, 2-Leads, Body 2.00x1.20mm, IPC Medium Density"
  rect 1.3x1.4 smd: 1(-0.8,0) 2(0.8,0)
  silkscreen extent -1.7,-1 1.7,1, body extent -1,-0.64 1,0.64, height 1.26
"CAP 0805/2012"#2 [mm] "Chip Capacitor, 2-Leads, Body 2.00x1.20mm, IPC Medium Density"
  rect 1.3x1.4 smd paste+0 mask+0.05: 1(-0.8,0)
  rect 1.3x1.4 smd mask+0.05: 2(0.8,0)
  silkscreen extent -1.7,-1 1.7,1, body extent -1,-0.64 1,0.64, height 1.26
"CAP 1206/3216" [mm] "Chip Capacitor, 2-Leads, Body 3.25x1.60mm, IPC Medium Density"
  rect 1.3x1.8 smd: 1(-1.45,0) 2(1.45,0)
  silkscreen extent -2.37,-1.12 2.37,-0.87, body extent -1.6,-0.81 1.6,0.81, height 1.62
"CAP 1206/3216 - 1.0MM" [mm] "Chip Capacitor, 2-Leads, Body 3.25x1.60mm, IPC Medium Density"
  rect 1.3x1.8 smd: 1(-1.45,0) 2(1.45,0)
  silkscreen extent -2.37,-1.12 2.37,1.12, body extent -1.6,-0.8 1.6,0.8, height 1
"CAP 1206/3216 - 1.8MM" [mm] "Chip Capacitor, 2-Leads, Body 3.25x1.60mm, IPC Medium Density"
  rect 1.3x1.8 smd: 1(-1.45,0) 2(1.45,0)
  silkscreen extent -2.37,-1.12 2.37,1.12, body extent -1.6,-0.8 1.6,0.8, height 1.8
"CAP AL TH D8 L3.5 H11.5" [mm]
  round 1.2 hole 0.7: 1(0,0) 2(3.5,0)
  silkscreen extent -5.06,-5 6.75,5
CUI-PJ-063AH_V [mm] "THD, 2-Leads, Body 13x10mm, Height 9mm"
  rect 1.5x3.5 hole 1 slot 3 at 90 deg: 1(-6,0)
  rect 1.5x2.8 hole 1 slot 2.3 at 90 deg: 2(0,0)
  rect 3x1.5 hole 1 slot 2.5 at 0 deg: 3(1,4.5) 4(1,-4.5)
  round 1.4 hole 1.7 unplated: 5(3,0)
  silkscreen extent -7.42,-5 6,5, body extent -7,-5.15 6,5.15, height 9